# Altium PCB PCB1.pcbdoc (continued)
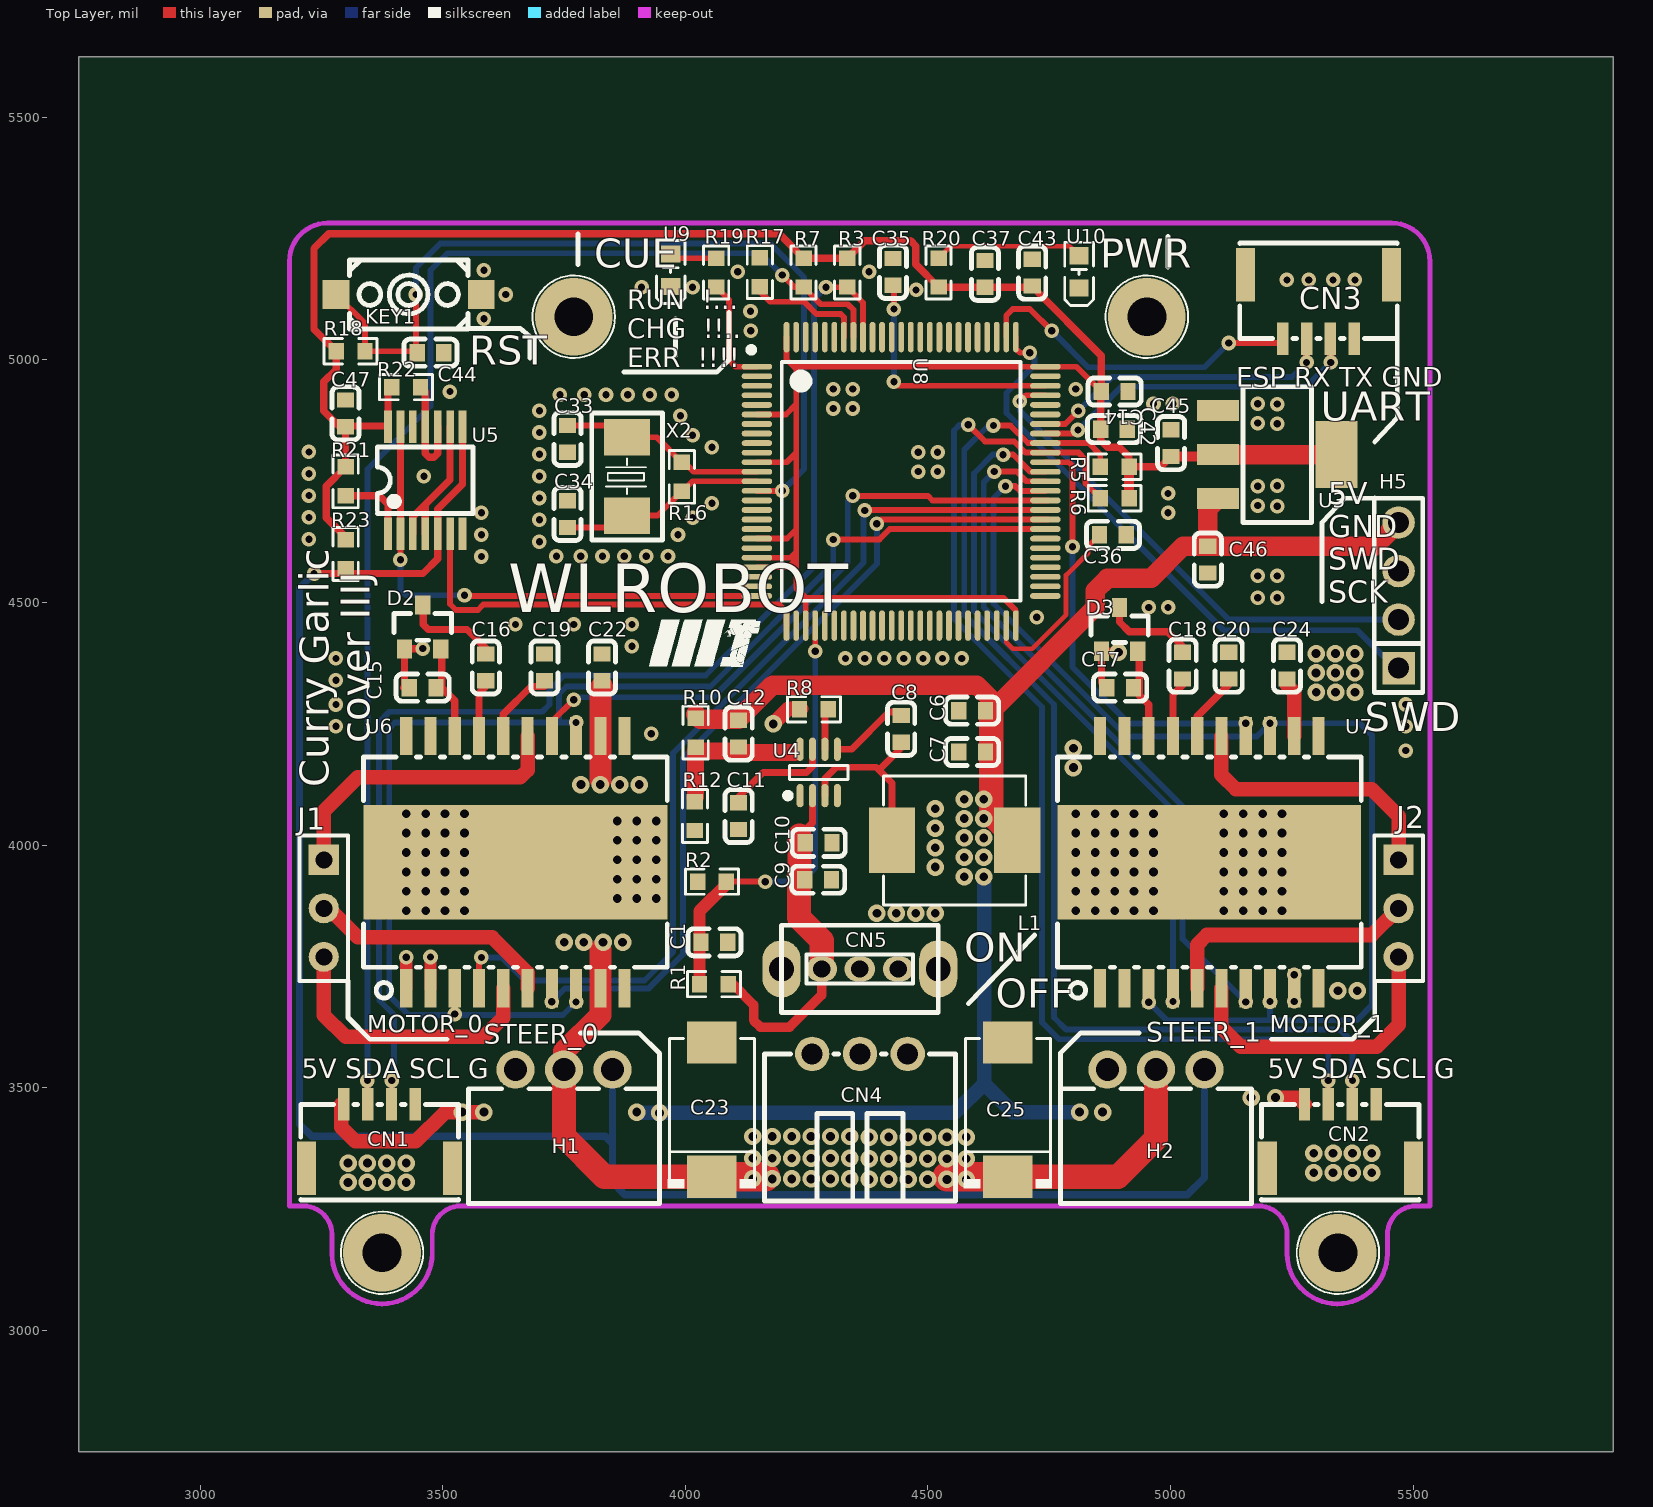
[diagram p0: Top Layer view]
## Footprints (in the part's own frame and the unit in brackets; to place one, negate y for a bottom-side part, rotate by r counter-clockwise, add the part's x,y. Pads: shape width x height; smd on the part's side, far side on the other; paste and mask are expansions set on the pad)
C0603 [mm]
  rect 0.8x0.9 smd: 1(-0.7,0) 2(0.7,0)
  silkscreen extent -1.39,-0.71 1.39,0.71
CAP-SMD_L7.3-W4.3-R-RD [mil]
  rect 86.91x102.05 smd: 1(138.24,0) 2(-138.24,0)
  silkscreen extent -147,-91 162,91
CONN-SMD_A1257WV-S-4P [mm]
  rect 0.6x1.7 smd: 1(1.875,1.675) 2(0.625,1.675) 3(-0.625,1.675) 4(-1.875,1.675)
  rect 1x2.8 smd: 5(3.825,-1.675) 6(-3.825,-1.675)
  silkscreen extent -4.12,-3.33 4.13,1.67
CONN-TH_3P-P2.50_HX25003-3WAP [mm]
  round 1.8 hole 1.1: 1(-2.5,0) 2(0,0) 3(2.5,0)
  silkscreen extent -5,-7.7 5,0
CONN-TH_5264-3AW [mm]
  round 2 hole 1.2: 1(2.54,0.7) 2(0,0.7) 3(-2.54,0.7)
  silkscreen extent -5,-6.3 5,-0.3
CRYSTAL-SMD_L5.0-W3.2 [mm]
  rect 1.9x2.4 smd: 1(-2.05,0) 2(2.05,0)
  silkscreen extent -3.32,-1.85 3.33,1.85
HDR-M-2.54_1X3 [mil]
  rect 62x62 hole 35: 1(-100,0)
  round 62 hole 35: 2(0,0) 3(100,0)
  silkscreen extent -150,-50 150,50
HDR-TH_4P-P2.54-V-M [mm]
  rect 1.7x1.7 hole 1.1: 1(-3.81,0)
  round 1.7 hole 1.1: 2(-1.27,0) 3(1.27,0) 4(3.81,0)
  silkscreen extent -5.08,-1.27 5.08,1.27
IND-SMD_L7.3-W6.6 [mm]
  rect 2.424x3.42 smd: 1(3.278,0) 2(-3.278,0)
  silkscreen extent -3.73,-3.38 3.73,3.38
KEY-SMD_2P-L6.2-W3.6-LS8.0 [mm]
  rect 1.4x1.5 smd: 1(-3.8,0) 2(3.8,0)
  silkscreen extent -3.1,-1.8 3.1,1.8
LED0603-FD [mm]
  rect 0.9x1 smd: 1(-0.85,0) 2(0.85,0)
  silkscreen extent -1.55,-0.75 1.75,0.75
LQFP-100_L14.0-W14.0-P0.50-LS16.0-BL [mm]
  oval 0.3x1.6 smd: 1(-6,-7.55) 2(-5.5,-7.55) 3(-5,-7.55) 4(-4.5,-7.55) 5(-4,-7.55) 6(-3.5,-7.55) 7(-3,-7.55) 8(-2.5,-7.55) 9(-2,-7.55) 10(-1.5,-7.55) 11(-1,-7.55) 12(-0.5,-7.55) 13(0,-7.55) 14(0.5,-7.55) 15(1,-7.55) 16(1.5,-7.55) 17(2,-7.55) 18(2.5,-7.55) 19(3,-7.55) 20(3.5,-7.55) 21(4,-7.55) 22(4.5,-7.55) 23(5,-7.55) 24(5.5,-7.55) 25(6,-7.55) 51(6,7.55) 52(5.5,7.55) 53(5,7.55) 54(4.5,7.55) 55(4,7.55) 56(3.5,7.55) 57(3,7.55) 58(2.5,7.55) 59(2,7.55) 60(1.5,7.55) 61(1,7.55) 62(0.5,7.55) 63(0,7.55) 64(-0.5,7.55) 65(-1,7.55) 66(-1.5,7.55) 67(-2,7.55) 68(-2.5,7.55) 69(-3,7.55) 70(-3.5,7.55) 71(-4,7.55) 72(-4.5,7.55) 73(-5,7.55) 74(-5.5,7.55) 75(-6,7.55)
  oval 1.6x0.3 smd: 26(7.55,-6) 27(7.55,-5.5) 28(7.55,-5) 29(7.55,-4.5) 30(7.55,-4) 31(7.55,-3.5) 32(7.55,-3) 33(7.55,-2.5) 34(7.55,-2) 35(7.55,-1.5) 36(7.55,-1) 37(7.55,-0.5) 38(7.55,0) 39(7.55,0.5) 40(7.55,1) 41(7.55,1.5) 42(7.55,2) 43(7.55,2.5) 44(7.55,3) 45(7.55,3.5) 46(7.55,4) 47(7.55,4.5) 48(7.55,5) 49(7.55,5.5) 50(7.55,6) 76(-7.55,6) 77(-7.55,5.5) 78(-7.55,5) 79(-7.55,4.5) 80(-7.55,4) 81(-7.55,3.5) 82(-7.55,3) 83(-7.55,2.5) 84(-7.55,2) 85(-7.55,1.5) 86(-7.55,1) 87(-7.55,0.5) 88(-7.55,0) 89(-7.55,-0.5) 90(-7.55,-1) 91(-7.55,-1.5) 92(-7.55,-2) 93(-7.55,-2.5) 94(-7.55,-3) 95(-7.55,-3.5) 96(-7.55,-4) 97(-7.55,-4.5) 98(-7.55,-5) 99(-7.55,-5.5) 100(-7.55,-6)
  silkscreen extent -7.03,-8 6.25,6.25
POWERSO20_L15.9-W11.0-P1.27-LS14.2-BL-EP [mm]
  rect 0.635x2 smd: 1(-5.715,-6.6) 2(-4.445,-6.6) 3(-3.175,-6.6) 4(-1.905,-6.6) 5(-0.635,-6.6) 6(0.635,-6.6) 7(1.905,-6.6) 8(3.175,-6.6) 9(4.445,-6.6) 10(5.715,-6.6) 11(5.715,6.6) 12(4.445,6.6) 13(3.175,6.6) 14(1.905,6.6) 15(0.635,6.6) 16(-0.635,6.6) 17(-1.905,6.6) 18(-3.175,6.6) 19(-4.445,6.6) 20(-5.715,6.6)
  rect 15.9x6 smd: 21(0,0)
  silkscreen extent -7.95,-7.11 7.95,5.5
R0603 [mil]
  rect 31.75x34.02 smd: 1(-29.66,0) 2(29.66,0)
  silkscreen extent -55,-26 55,26
SOT-23_L2.9-W1.3-P1.90-LS2.4-BR [mm]
  rect 1x0.8 smd: 1(1.15,-0.95) 2(1.15,0.95) 3(-1.15,0)
  silkscreen extent -0.7,-1.5 0.7,1.5
SOT-223_L6.7-W3.5-P2.30-BR [mm]
  rect 2.2x1.1 smd: 1(3.099,-2.3) 2(3.099,0) 3(3.099,2.3)
  rect 2.2x3.5 smd: 4(-3.099,0)
  silkscreen extent -1.8,-3.55 1.8,3.55
SW-TH_SS-12D02-VG4 [mm]
  oval 1.6x1.3 hole 0.9: 1(-2,0) 2(-0.007,0) 3(2,0)
  oval 2x3 hole 1.3: 4(4.1,0) 5(-4.1,0)
  silkscreen extent -4.1,-2.29 4.1,2.29
TSOT-23-8_L2.9-W1.6-P0.65-LS2.8-BR [mil]
  oval 48.11x14.33 smd: 1(47.68,-38.39) 2(47.68,-12.8) 3(47.68,12.79) 4(47.68,38.39) 5(-47.68,38.39) 6(-47.68,12.79) 7(-47.68,-12.8) 8(-47.68,-38.39)
  silkscreen extent -15,-69 54,60
TSSOP-14_L5.0-W4.4-P0.65-LS6.4-BL [mm]
  rect 0.4x1.7 smd: 1(-1.95,-2.8) 2(-1.3,-2.8) 3(-0.65,-2.8) 4(0,-2.8) 5(0.65,-2.8) 6(1.3,-2.8) 7(1.95,-2.8) 8(1.95,2.8) 9(1.3,2.8) 10(0.65,2.8) 11(0,2.8) 12(-0.65,2.8) 13(-1.3,2.8) 14(-1.95,2.8)
  silkscreen extent -2.51,-1.74 2.5,1.74

## Via types
v1: diameter 36, hole 18, Top Layer to Bottom Layer, 194 vias
v2: diameter 30, hole 15, Top Layer to Bottom Layer, 146 vias
v3: diameter 160, hole 80, Top Layer to Bottom Layer, 4 vias

## Nets (pads, with @x,y where several pads share a name; then routed paths per layer and width w, separated by ;. In a path a pad name is that pad's centre, name@x,y a point inside that pad or via, vN(x,y) a via of type N, cw(c..) or ccw(c..) an arc to the next point about the centre after c; other vN are vias at no path point)
$1N4123: C20.1 U7.16 | length 132.7
  Top Layer w15: U7.16 5055,4265.63 C20.1@5120,4330.63
$1N4124: C19.1 U6.16 | length 153.8
  Top Layer w15: U6.16 3625,4270 3682.08,4327.08 C19.1@3710,4327.08
$1N4127: C15.2 D2.2 U6.18 | length 191.7
  Top Layer w15: D2.2 3498.31,4402.68 3498.31,4324.72 3525,4298.03 U6.18
$1N4128: C16.1 U6.17 | length 108
  Top Layer w15: U6.17 3575,4313.14 C16.1@3588.94,4327.08
$1N4131: C17.2 D3.2 U7.18 | length 184.2
  Top Layer w15: D3.2 4935.69,4396.43 4935.69,4309.31 4955,4290 U7.18
$1N4132: C18.1 U7.17 | length 114.1
  Top Layer w15: U7.17 5005,4310.63 C18.1@5025,4330.63
$1N4145: R8.2 U4.6 | length 87.9
  Top Layer w14: U4.6 4287.79,4272.79 R8.2@4295,4280 ; R8.2 R8.2@4295,4280 ; R8.2@4296.79,4281.21 4295.58,4280 R8.2@4295,4280
$1N4146: C11.2 U4.7 | length 213.7
  Top Layer w14: C11.2@4110,4099.37 4160.63,4150 4250,4150 4262.2,4162.2 U4.7
$1N4149: C8.1 L1.1 U4.3 | length 379.4
  Top Layer w14: U4.3 4287.79,4137.79 4310.64,4160.64 4393.73,4160.64 4399.37,4155 ; L1.1 4425.94,4128.43 4399.37,4155 ; C8.1@4445,4200.63 4399.37,4155
$1N4151: C8.2 U4.5 | length 167.3
  Top Layer w14: U4.5 4342.68,4197.68 4419.37,4274.37 4440,4274.37 4445,4269.37 C8.2
$1N4153: C12.2 R10.1 R12.2 U4.8 | length 301.4
  Top Layer w35: R12.2@4020,4098.04 4021.32,4099.36 4021.32,4193.84 4106.79,4193.84 4110,4190.63 4225,4190.63
$1N4184: R19.1 U9.1 | length 97.2
  Top Layer w12: U9.1 3978.8,5209.66 R19.1
$1N4212: C16.2 D2.3 | length 190
  Top Layer w15: D2.3 3460,4494.15 3460,4455 3470.61,4444.39 3550.37,4444.39 C16.2@3588.94,4405.82
$1N4213: C18.2 D3.3 | length 181.3
  Top Layer w15: D3.3 4895,4460 4915,4440 4994.37,4440 C18.2@5025,4409.37
$1N4217: CN4.1 CN5.2 | length 215.7
  Inner2 w60: CN4.1 4261.58,3586.58 4359.74,3684.74 CN5.2
$1N19370: R22.1 U5.10 U5.11 | length 228
  Top Layer w15: R22.1 3464.18,4934.31 U5.11 3464.18,4807.18 3471.68,4799.69 3482.28,4799.69 3489.77,4807.18 U5.10
$1N19371: U5.3 U5.4 U5.9 | length 312.5
  Top Layer w15: U5.3 3438.59,4676.59 3464.18,4702.18 ; U5.4 3464.18,4702.18 ; U5.9 3515.36,4753.36 3464.18,4702.18
$1N19603: R21.1 U5.1 | length 155.4
  Top Layer w15: R21.1 3369.66,4720.34 3387.41,4702.59 U5.1
$1N30653: R20.1 U10.1 | length 307.8
  Top Layer w10: R20.1 4546.62,5234.31 4792.23,5234.31 U10.1
BAT_ADC: C1.2 R1.1 R2.2 U8.29 | length 926.1
  Top Layer w12: R2.2@4089.37,3925 v2(4165,3925) ; v2(4267.83,4400) U8.29
  Top Layer w25: R1.1 4029.28,3864.28 4089.37,3924.37 R2.2@4089.37,3925
  Bottom Layer w12: v2(4165,3925) 4240,3925 4267.83,3952.83 v2(4267.83,4400)
BOOT0: R17.1 U8.94 | length 246.1
  Top Layer w12: R17.1 4153.68,5141.32 4175,5120 4245,5120 4270.52,5094.48 4320.52,5094.48 4326.89,5088.11 U8.94
DATA: H1.1 H2.1 R23.1 U5.5 U5.8 | length 4085.2
  Top Layer w15: v2(3235,4560) R23.1@3300,4560 ; R23.1@3300,4575.34 R23.1 R23.1@3300,4560 ; U5.8 3540.95,4743.95 3489.77,4692.77 U5.5 3489.77,4590.34 3459.43,4560 R23.1@3300,4560
  Bottom Layer w15: v2(3235,4560) 3205,4530 3205,3425 3230,3400 3835,3400 3850,3385 ; H1.1 3850,3385 ; H2.1 5070,3315 5034.67,3279.67 3875.33,3279.67 3850,3305 3850,3385
ESP_IO0: CN3.1 U8.77 | length 693.7
  Top Layer w12: U8.77 4661.54,5091.54 4675,5105 4710,5105 v2(4755,5060) ; v2(5120,5035) 5222.12,5035 CN3.1
  Bottom Layer w12: v2(4755,5060) 4830,4985 5070,4985 v2(5120,5035)
GND: C1.1 C6.1 C7.2 C9.1 C10.1 C11.1 C14.1 C19.2 C20.2 C22.1 C23.2 C24.1 C25.2 C33.2 C34.2 C35.2 C36.2 C37.1 C42.1 C43.1 C44.2 C45.2 C46.2 C47.2 CN1.1 CN2.1 CN3.4 CN4.3 H1.3 H2.3 H5.3 KEY1.2 R2.1 R12.1 R17.2 U3.1 U4.1 U4.4 U5.7 U5.12 U6.1 U6.2 U6.10 U6.11 U6.19 U6.20 U6.21 U7.1 U7.2 U7.10 U7.11 U7.19 U7.20 U7.21 U8.10 U8.20 U8.27 U8.74 U8.99 U9.2 U10.2 | length 128.3
  Top Layer w25: U6.1 v2(3425,3768.91) ; U6.2 v2(3475,3769.69)
  other v1: 3305,3305 3345,3305 3385,3305 3425,3305 5295,3325 5335,3325 5375,3325 5415,3325 3305,3345 3345,3345 3385,3345 3425,3345 5295,3365 5335,3365 5375,3365 5415,3365 5345,3700 5385,3700 4395,3860 4435,3860 4475,3860 4515,3860 3425,3865 3465,3865 3505,3865 3545,3865 4805,3865 4845,3865 4885,3865 4925,3865 4965,3865 5110,3865 5150,3865 5190,3865 5230,3865 3860,3890 3900,3890 3940,3890 3425,3905 3465,3905 3505,3905 3545,3905 4805,3905 4845,3905 4885,3905 4925,3905 4965,3905 5110,3905 5150,3905 5190,3905 5230,3905 3860,3930 3900,3930 3940,3930 3425,3945 3465,3945 3505,3945 3545,3945 4805,3945 4845,3945 4885,3945 4925,3945 4965,3945 5110,3945 5150,3945 5190,3945 5230,3945 4515,3955 3860,3970 3900,3970 3940,3970 3425,3985 3465,3985 3505,3985 3545,3985 4805,3985 4845,3985 4885,3985 4925,3985 4965,3985 5110,3985 5150,3985 5190,3985 5230,3985 4515,3995 3860,4010 3900,4010 3940,4010 3425,4025 3465,4025 3505,4025 3545,4025 4805,4025 4845,4025 4885,4025 4925,4025 4965,4025 5110,4025 5150,4025 5190,4025 5230,4025 4515,4035 3860,4050 3900,4050 3940,4050 3425,4065 3465,4065 3505,4065 3545,4065 4805,4065 4845,4065 4885,4065 4925,4065 4965,4065 5110,4065 5150,4065 5190,4065 5230,4065 4515,4075 4800,4160 4800,4200
  other v2: 5485,4195 3930,4230 3280,4245 5485,4245 3280,4290 5485,4290 3280,4340 3280,4385 4330,4385 4370,4385 4410,4385 4450,4385 4490,4385 4530,4385 4570,4385 3890,4410 3650,4455 3770,4455 3890,4455 4724.52,4469.58 4955,4490 4995,4490 5180,4510 5220,4510 5180,4555 5220,4555 3580,4595 3734.41,4595.59 3784.41,4595.59 3829.41,4595.59 3874.41,4595.59 3919.41,4595.59 3964.41,4595.59 3699.41,4625.59 3224.41,4630.59 3580,4640 3985,4640 3699.41,4670.59 4015,4675 3224.41,4675.59 3580,4685 4995,4685 5220,4698.82 5180,4700 4055,4705 3699.41,4715.59 3224.41,4720.59 4995,4725 5180,4740 5220,4740.98 3461.5,4760.59 3699.41,4760.59 3224.41,4765.59 4480,4770 4520,4770 3699.41,4805.59 4480,4810 4520,4810 3224.41,4810.59 4055,4820 4015,4845 3699.41,4850.59 5220,4868.79 5180,4870 3990,4885 3699.41,4895.59 4305,4900 4345,4900 5220,4909.19 4965,4910 5005,4910 5180,4910 3741.69,4928.43 3791.69,4928.43 3836.69,4928.43 3881.69,4928.43 3926.69,4928.43 3971.69,4928.43 3515,4935 4305,4940 4345,4940 4805,4940 4135,5060 3585,5085 4134.41,5100.59 3630,5135 4475.67,5144.34 3910,5150 4015,5150 5240,5165 5285,5165 5335,5165 5380,5165 4107.89,5181.58 4378.86,5181.64 3585,5185
  other v3: 3375,3160 5345,3160
LED: R19.2 U8.1 | length 224.8
  Top Layer w12: R19.2 4090,5123.92 4090,5000 4103.78,4986.22 U8.1
M0_EN: U6.3 U6.8 U6.13 U8.58 | length 2641
  Top Layer w12: v2(3525,3652.11) U6.3 ; v2(4305,4630) 4400,4630 4421.57,4651.57 U8.58
  Bottom Layer w12: v2(3775,3677.11) 3747.89,3650 3527.11,3650 v2(3525,3652.11) 3522.89,3650 3430,3650 3390,3690 3390,4241.04 3402,4253.04 3743.02,4253.04 ; v2(3775,4253.04) 3743.02,4253.04 ; v2(4305,4630) 4305,4580 4051.98,4326.98 3755.02,4326.98 3740,4311.97 3740,4256.05 3743.02,4253.04
M0_IN1: U6.7 U8.59 | length 1720.3
  Top Layer w12: v2(4394.41,4662.59) 4403.08,4671.26 U8.59@4747.24,4671.26
  Bottom Layer w12: v2(3725,3677.62) 3752.38,3705 3925,3705 3995,3775 3995,4180 4395,4580 4395,4662 v2(4394.41,4662.59)
M0_IN2: U6.4 U8.60 | length 1956.1
  Top Layer w12: U6.4 3575,3763.76 v2(3580,3768.76) ; v2(4370,4690) 4370.94,4690.94 U8.60@4747.24,4690.94
  Bottom Layer w12: v2(3580,3768.76) 3621.24,3768.76 3668.98,3721.02 3916.02,3721.02 3975,3780 3975,4190 4367.41,4582.41 4367.41,4687.41 v2(4370,4690)
M0_IN3: U6.14 U8.61 | length 1323.8
  Top Layer w12: U6.14 3725,4255 v2(3770,4300) ; v2(4345,4720) 4500,4720 4509.37,4710.63 U8.61@4747.24,4710.63
  Bottom Layer w12: v2(3770,4300) 3775,4305 4057.85,4305 4335,4582.15 4335,4710 v2(4345,4720)
M0_OUT1: J1.2 U6.6 | length 506.8
  Top Layer w30: J1.2 3265,3870 3325,3810 3601.73,3810 3675,3736.73 U6.6
M0_OUT2: J1.3 U6.5 | length 585.4
  Top Layer w30: J1.3 3255,3650 3300,3605 3585,3605 3625,3645 U6.5
M0_OUT3: J1.1 U6.15 | length 625
  Top Layer w30: J1.1 3255,4070 3325,4140 3660,4140 3675,4155 U6.15
M1_EN: U7.3 U7.8 U7.13 U8.62 | length 2336.6
  Top Layer w12: v2(4660,4740) 4680,4740 4689.69,4730.31 U8.62
  Bottom Layer w12: v2(4660,4740) 4635,4715 4635,4498.33 4909.15,4224.18 5177.76,4224.18 v2(5205,4251.42) 5390.09,4251.42 5415,4226.51 5415,3670 5384.16,3639.16 5205,3639.16 ; v2(4955,3676.19) 4992.03,3639.16 5205,3639.16 ; v2(5205,3677.73) 5205,3639.16
M1_IN1: U7.7 U8.63 | length 1439.3
  Top Layer w12: v2(4637,4770) 4682.63,4770 4702.63,4750 U8.63
  Bottom Layer w12: v2(4637,4770) 4615,4748 4615,4490 5025,4080 5025,3806.98 v2(5155,3676.98)
M1_IN2: U7.4 U8.64 | length 1436.2
  Top Layer w12: v2(4655,4805) 4675.7,4805 4711.02,4769.68 U8.64
  Bottom Layer w12: v2(4655,4805) 4633.82,4805 4595,4766.18 4595,4482.65 5005,4072.65 v2(5005,3677.73)
M1_IN3: U7.14 U8.65 | length 878.8
  Top Layer w12: U8.65 4790.63,4789.37 4798,4782 v2(4798,4615)
  Bottom Layer w12: v2(4798,4615) 4798,4367 4913.83,4251.17 v2(5155,4251.17)
M1_OUT1: J2.3 U7.6 | length 620.4
  Top Layer w30: U7.6 5105,3625 5145,3585 5425,3585 5470,3630 J2.3
M1_OUT2: J2.2 U7.5 | length 535.9
  Top Layer w30: U7.5 5055,3795 5075,3815 5415,3815 J2.2
M1_OUT3: J2.1 U7.15 | length 570
  Top Layer w30: U7.15 5105,4145 5135,4115 5415,4115 5470,4060 J2.1
NRST: C44.1 KEY1.1 R18.1 U8.14 | length 1783.3
  Top Layer w12: KEY1.1 3339.94,5075.46 R18.1 3444.53,5017.91 C44.1@3445,5017.44 ; v2(3445,5135) C44.1@3445,5017.44 ; C44.1 C44.1@3445,5017.44 ; U8.14 v2(4200,4730.31)
  Bottom Layer w12: v2(3445,5135) 3445,5190 3495,5240 4175,5240 4245,5170 4245,4775.31 v2(4200,4730.31)
PH0: C33.1 R16.1 U8.12 X2.1 | length 431.9
  Top Layer w12: C33.1 3855.71,4865 X2.1 3941.24,4840.71 R16.1 ; R16.1@3993,4793.94 4017.27,4769.68 U8.12
PH1: C34.1 R16.2 U8.13 X2.2 | length 427.6
  Top Layer w12: C34.1 3855.71,4655 X2.2 3942.67,4679.29 R16.2 ; R16.2@3993,4734.62 3999.62,4734.62 4015,4750 U8.13
RX_0: CN3.2 U8.69 | length 639.8
  Top Layer w12: U8.69 4783.11,4868.11 v2(4810,4895)
  Top Layer w15: v2(5280.39,4995) CN3.2
  Bottom Layer w12: v2(4810,4895) 4880,4965 5250.39,4965 v2(5280.39,4995)
SCL_0: CN1.2 R3.1 U8.92 | length 2601.8
  Top Layer w12: CN1.2 3390.94,3465.94 3395,3470 v2(3395,3515) ; v2(4290,5150) 4333.54,5150 R3.1 4366.26,5117.96 U8.92
  Bottom Layer w12: v2(3395,3515) 3400,3520 3400,3650 3370,3680 3370,3687.37 3369,3688.37 3369,4254 3390.05,4275.05 3705,4275 3720,4290 3720,4320 3750,4350 4041.7,4350 4265,4573.3 4265,5125 v2(4290,5150)
SCL_1: CN2.2 R5.1 U8.67 | length 2362.3
  Top Layer w12: v2(4635,4865) 4670,4865 4706.26,4828.74 U8.67 4831.26,4828.74 4855.34,4804.66 R5.1 ; CN2.2 5375,3466.33 v2(5375,3515)
  Bottom Layer w12: v2(4635,4865) 4625,4865 4575,4815 4575,4475 4760,4290 4760,3645 4785,3620 5350,3620 5375,3595 v2(5375,3515)
SDA_0: CN1.3 R7.1 U8.93 | length 2763.6
  Top Layer w12: v2(3345,3515) 3345,3466.34 CN1.3 ; v2(4200,5175) 4224.66,5150.34 R7.1 4279.12,5115 4335,5115 4346.57,5103.43 U8.93
  Bottom Layer w12: v2(3345,3515) 3345,4775 3475,4905 3475,5185 3510,5220 4155,5220 v2(4200,5175)
SDA_1: CN2.3 R6.1 U8.66 | length 2422.4
  Top Layer w12: v2(4583.41,4866.59) 4618,4832 4678,4832 4700.94,4809.06 U8.66 4810.94,4809.06 4825,4795 4825,4745.34 R6.1 ; v2(5325,3515) 5325,3471.34 CN2.3@5330.4,3465.94
  Bottom Layer w12: v2(4583.41,4866.59) 4565.59,4866.59 4553.59,4854.59 4553.59,4466.41 4735,4285 4735,3635 4770,3600 5305,3600 5325,3580 v2(5325,3515)
SERVO_RX: U5.6 U8.26 | length 882.4
  Top Layer w12: U5.6 3515.36,4497 3527.36,4485 3572.85,4485 3583.73,4495.87 4194.13,4495.87 4208.78,4481.22 U8.26
SERVO_TX: U5.2 U5.13 U8.25 | length 1075.7
  Top Layer w12: v2(3413,4588.5) U5.2 ; v2(3545,4515) 3546.22,4513.78 U8.25
  Top Layer w15: U5.2 U5.13
  Bottom Layer w12: v2(3413,4588.5) 3413,4527 3425,4515 v2(3545,4515)
SWCLK: H5.1 U8.76 | length 1233.9
  Top Layer w12: U8.76 4681.22,5023.78 4690,5015 v2(4710,5015)
  Bottom Layer w12: v2(4710,5015) 4720,5005 4720,4990 4662,4932 4662,4891 5110,4443 5385,4443 5463,4365 H5.1
SWDIO: H5.2 U8.72 | length 1035.8
  Top Layer w12: v2(4689.74,4915) 4701.91,4927.17 U8.72
  Bottom Layer w12: v2(4689.74,4915) 4689.74,4895.26 5120,4465 H5.2
TX_0: CN3.3 U8.68 | length 697.7
  Top Layer w12: U8.68 4801.96,4848.43 v2(4809.27,4855.74)
  Top Layer w15: CN3.3 5330,5043.66 v2(5330,4995)
  Bottom Layer w12: v2(4809.27,4855.74) 4898.53,4945 5280,4945 v2(5330,4995)
VCAP_1: C36.1 U8.49 | length 385.5
  Top Layer w10: U8.49 4661.54,4418.46 4675,4405 4715,4405 4785,4475 4785,4556.69 4830,4601.69 4830,4615.83 C36.1
VCAP_2: C35.1 U8.73 | length 515.6
  Top Layer w12: C35.1 4430,5152.01 v2(4430,5105) ; v2(4430,4955) 4438.15,4946.85 U8.73
  Bottom Layer w12: v2(4430,4955) v2(4430,5105)
VCC-3.3V: C14.2 C37.2 C42.2 C43.2 C45.1 C47.1 R3.2 R5.2 R6.2 R7.2 R18.2 R20.2 R21.2 R22.2 R23.2 U3.2 U3.4 U5.14 U8.6 U8.11 U8.19 U8.21 U8.22 U8.28 U8.50 U8.75 U8.100 | length 5600.3
  Top Layer w12: U8.22 4212.83,4572.83 4228.71,4588.71 ; U8.21 4217.27,4592.52 4228.71,4603.96 ; U8.19 4209.75,4631.89 4228.71,4650.85 ; U8.11 4209.37,4789.37 4228.71,4808.71 ; U8.6 4207.8,4887.8 4228.71,4908.71 ; U8.100 4208.78,5001.22 4225.55,4984.45 ; U8.28 4248.15,4510 ; U8.50 4681.22,4483.99 4655.21,4510 4248.15,4510 ; C14.2 4806.22,4986.22 U8.75 4227.33,4986.22 4225.55,4984.45 ; 4225.55,4984.45 4228.71,4981.29 4228.71,4908.71 ; 4228.71,4588.71 4228.71,4603.96 ; 4228.71,4588.71 4228.71,4529.44 4248.15,4510 ; 4228.71,4603.96 4228.71,4650.85 ; 4228.71,4650.85 4228.71,4808.71 ; 4228.71,4808.71 4228.71,4908.71
  Top Layer w15: R23.2@3300,4634.66 3295,4639.66 3295,4640 3260,4675 3260,4739.66 R21.2 C47.1 ; R22.2 3387.41,4936.48 U5.14 3386,4863.84 3286.16,4863.84 3255,4895 3255,4955 3280.62,4980.62 R18.2 3235,5063.53 3235,5230 3265,5260 4193.44,5260 R7.2 R3.2 4369.82,5245.61 4464.39,5245.61 4475,5235 4475,5197.31 R20.2 4522.31,5150 C37.2 4711.57,5150 4714.01,5152.44 4857.44,5009.01 C14.2 4856.02,4933.58 C42.2 4856.02,4834.16 4870.18,4820 4895,4820 4914.66,4800.34 R5.2 4980.13,4780 C45.1
  Top Layer w20: R6.2 R5.2 ; C45.1 5094.12,4801.12 U3.2
  Top Layer w40: U3.2 U3.4
VCC-5V: C6.2 C7.1 C12.1 C46.1 CN1.4 CN2.4 H5.4 L1.2 R10.2 U3.3 | length 4704.6
  Top Layer w30: CN1.4@3291.18,3465.94 3291.18,3418.82 3320,3390 3445,3390 3505,3450 v1(3540,3450) v1(3585,3450) ; v1(5216.4,3480) 5262.12,3480 CN2.4
  Top Layer w40: R10.2@4021.32,4269.92 4031.24,4260 4110,4260 4180,4330 4600.68,4330 4630.69,4299.99 C6.2@4630.69,4277.23 ; C6.2@4631.87,4277.23 4845,4490.36 4845,4525 4870,4550 4960,4550 5026.12,4616.12 C46.1 ; U3.3 5076.85,4693.3 C46.1 ; H5.4 5421.12,4616.12 C46.1
  Top Layer w50: C6.2@4630.69,4277.23 4630.69,4063.37 L1.2
  Inner2 w30: v1(3585,3450) v1(3900,3450) 3945.29,3450 v1(3946.9,3448.39) ; v1(4812.65,3450) v1(4860,3450) 5115,3450 5145,3480 v1(5166.07,3480) v1(5216.4,3480)
  Bottom Layer w30: v1(3900,3450) 3901.61,3448.39 v1(3946.9,3448.39) 4555.81,3448.39 4616.21,3508.79 ; v1(4615,3935) 4616.21,3933.79 4616.21,3508.79 ; v1(4812.65,3450) 4675,3450 4616.21,3508.79
  other v1: 4575,3935 4575,3975 4615,3975 4575,4015 4615,4015 4575,4055 4615,4055 4575,4095 4615,4095
VIN: C9.2 C10.2 C15.1 C17.1 C22.2 C23.1 C24.2 C25.1 CN5.1 D2.1 D3.1 H1.2 H2.2 R1.2 R8.1 U4.2 U6.9 U6.12 U7.9 U7.12 | length 7940.2
  Top Layer w15: C15.1@3419.57,4324.72 3421.54,4326.69 D2.1 3458.35,4404.65 v2(3458.94,4405.23) ; C10.2@4235.63,4020 4262.2,4046.57 U4.2 ; C17.1 4857.6,4335.88 D3.1 4890.76,4399.72 v1(4892.65,4397.83)
  Top Layer w20: R1.2@4098.31,3713.75 4140.86,3671.2 4140.86,3639.14 4155,3625 4215,3625 4281.26,3691.26 CN5.1
  Top Layer w30: v1(4181.33,4250) 4212.54,4281.21 R8.1@4238.83,4281.21 ; C24.2@5240,4330.63 5255,4315.63 U7.12
  Top Layer w45: H1.2 3750,3575 3825,3650 U6.9 v1@3825,3785 ; v1@3825,4135 U6.12 3825,4323.63 C22.2@3828.45,4327.08
  Top Layer w50: H1.2 3750,3400 3833.24,3316.76 C23.1 ; C10.2@4235.63,4020 4235.63,3929.91 4234.57,3928.85 4234.57,3850.43 4281.26,3803.74 CN5.1 ; C25.1 4891.76,3316.76 4970,3395 H2.2
  Top Layer w60: C23.1 v1@4165.28,3316.76 ; v1@4539.27,3316.76 C25.1
  Inner2 w15: v2(3458.94,4405.23) 3794.77,4405.23 3825,4375 3825,4136.15 v1@3826.15,4135 ; v1(4892.65,4397.83) 5297.17,4397.83 v1(5300,4395)
  Inner2 w30: 4181.33,4135 v1(4181.33,4250) ; 5254.26,3775 5255,3774.26 v2(5255,3732.93)
  Inner2 w50: v2(5255,3678.1) v2(5255,3732.93)
  Inner2 w60: 4210,4145 4281.26,4073.74 CN5.1
  Inner2 w90: v1(3785,4125) 3745,4085 3745,3835 3780,3800 v1(3830.7,3800) 3880,3800 4035,3645 4035,3410 4114.06,3330.94 4560.94,3330.94 4640,3410 4640,3655 4760,3775 5254.26,3775 5275,3775 5338.64,3838.64 v1@5338.64,4315 ; v1@3795,4135 3826.15,4135 4181.33,4135 4200,4135
  other v1: 4379.27,3311.16 4419.27,3311.16 4459.27,3311.16 4499.27,3311.16 4539.27,3311.16 4579.27,3311.16 4139.27,3312.36 4179.27,3312.36 4219.27,3312.36 4259.27,3312.36 4299.27,3312.36 4339.27,3312.36 4379.27,3353.7 4419.27,3353.7 4459.27,3353.7 4499.27,3353.7 4539.27,3353.7 4579.27,3353.7 4139.27,3354.9 4179.27,3354.9 4219.27,3354.9 4259.27,3354.9 4299.27,3354.9 4339.27,3354.9 4379.27,3398.5 4419.27,3398.5 4459.27,3398.5 4499.27,3398.5 4539.27,3398.5 4579.27,3398.5 4139.27,3399.71 4179.27,3399.71 4219.27,3399.71 4259.27,3399.71 4299.27,3399.71 4339.27,3399.71 3750.7,3800 3790.72,3800 3870.7,3800 3825,4125 3865,4125 3905,4125 5300.24,4315 5340.24,4315 5380.24,4315 5300,4355 5340,4355 5380,4355 5340,4395 5380,4395
pads on no net: CN1.5 CN1.6 CN2.5 CN2.6 CN3.5 CN3.6 CN4.2 CN5.3 CN5.4 CN5.5 U8.2 U8.3 U8.4 U8.5 U8.7 U8.8 U8.9 U8.15 U8.16 U8.17 U8.18 U8.23 U8.24 U8.30 U8.31 U8.32 U8.33 U8.34 U8.35 U8.36 U8.37 U8.38 U8.39 U8.40 U8.41 U8.42 U8.43 U8.44 U8.45 U8.46 U8.47 U8.48 U8.51 U8.52 U8.53 U8.54 U8.55 U8.56 U8.57 U8.70 U8.71 U8.78 U8.79 U8.80 U8.81 U8.82 U8.83 U8.84 U8.85 U8.86 U8.87 U8.88 U8.89 U8.90 U8.91 U8.95 U8.96 U8.97 U8.98
copper on no net:
  other v3: 3770.2,5089.1 4951.3,5089.1

## Polygon pours and split planes (outlines as drawn)
GND on Inner1 (solid, remove dead copper): 3115,5350 5595,5350 5595,3000 3115,3000
GND on Inner2 (solid, remove dead copper): 3125,5350 5605,5350 5605,3010 3125,3010
GND on Bottom Layer (solid, remove dead copper, pour order 52): 3135,5375 5620,5375 5620,3015 3135,3015
GND on Top Layer (solid, remove dead copper, pour order 32): 3125,5345 5595,5345 5595,3020 3125,3020
VIN on Top Layer (solid, remove dead copper, pour order 0): 4005,3360 4075,3430 4645,3430 4715,3360 4715,3274.83 4003.08,3274.83 4005,3276.76
$1N4217 on Inner2 (solid, remove dead copper): 4225,3530 4300,3530 4300,3580.43 4395.17,3675.6 4395.17,3775 4325.34,3775 4325.34,3726.98 4225,3626.63
M1_EN on Bottom Layer (solid, remove dead copper, pour order 34): 5205,3661.72 5182.43,3639.16 5227.68,3639.16 5205,3661.84
M0_EN on Bottom Layer (solid, remove dead copper, pour order 36): 3740,4285.56 3707.47,4253.04 3766.69,4253.04 3766.69,4259.38 3740,4286.07
VIN on Top Layer (solid, remove dead copper, pour order 2): 4073.45,3722.8 4073.45,3697.82 4130,3644.52 4130,3325 4205.64,3325 4205.64,3585.64 4310,3690 4310,3744.27 4249.7,3744.27 4249.7,3701.63 4223.07,3675 4148.92,3675 4101.12,3722.8
VIN on Inner2 (solid, remove dead copper): 4215,3500 4175,3540 4175,3623.19 4140.86,3657.33 4140.86,4075.86 4160,4095 4185,4095 4200,4080 4200,3845 4260,3785 4305,3785 4310,3790 4310,4125 4255,4180 4045.1,4180 3995,4129.9 3995,3403.48 4043.11,3336.89 4626.87,3336.89 4626.87,3500.06 4625,3500
$1N4217 on Bottom Layer (solid, remove dead copper, pour order 38): 4225,3530 4300,3530 4300,3580.43 4395.17,3675.6 4395.17,3775 4325.34,3775 4325.34,3726.98 4225,3626.63
VIN on Inner2 (solid, remove dead copper): 5380,4280 5400,4300 5400,4405 5380,4425 5293.75,4425 5275.57,4406.82 5275.57,4296.45 5292.02,4280
VIN on Top Layer (solid, remove dead copper, pour order 4): 5215,4307.01 5242.01,4280 5375,4280 5400,4305 5400,4395.03 5375.07,4419.96 5304.96,4419.96 5285,4400 5285,4369.2 5229.2,4369.2 5215,4355
VCC-5V on Inner2 (solid, remove dead copper): 3535,3465 3946.9,3465 3946.9,3441.9 3940,3435 3540,3435 3540,3460
VIN on Top Layer (solid, remove dead copper, pour order 6): 3770,4160 3914.99,4160 3940,4134.99 3940,4089.57 3749.57,4089.57 3749.57,4139.57
VIN on Bottom Layer (solid, remove dead copper, pour order 40): 3874.43,3765.57 3749.44,3765.57 3719.43,3795.58 3719.43,3836 3894.86,3836 3894.86,3786
VIN on Top Layer (solid, remove dead copper, pour order 8): 3875,3765 3750.01,3765 3720,3795.01 3720,3835.43 3895.43,3835.43 3895.43,3785.43
VIN on Inner2 (solid, remove dead copper): 5320,3760 5262.84,3702.84 5237.16,3702.84 5200,3740 5200,3745 5230,3775 5305,3775
VIN on Bottom Layer (solid, remove dead copper, pour order 42): 3770,4160 3914.99,4160 3940,4134.99 3940,4089.57 3749.57,4089.57 3749.57,4139.57
$1N4153 on Top Layer (solid, remove dead copper, pour order 10): 4122.03,4173 4243,4173 4245,4175 4245,4220 4240.62,4224.38 4214.38,4224.38 4210,4220 4122.03,4220
VIN on Inner2 (solid, remove dead copper): 4181.33,4224.47 4116.86,4160 4260,4160 4262.2,4162.2 4243.9,4162.2 4181.33,4224.77
VIN on Bottom Layer (solid, remove dead copper, pour order 44): 3749.75,4094.75 3749.75,3830.25 3762.25,3817.75 3817.75,3817.75 3830,3830 3830,4095 3825,4100 3755,4100
VIN on Inner2 (solid, remove dead copper): 3800,4169.84 3824.62,4194.46 3825,4194.46 3845.69,4173.76 3845.69,4172.65 3842.88,4169.84
VIN on Top Layer (solid, remove dead copper, pour order 12): 4270.04,3845.21 4258.15,3833.31 4230.39,3861.07 4230.39,4055.25 4262.2,4087.06 4262.2,4093.94 4270.04,4086.1
DATA on Bottom Layer (solid, remove dead copper, pour order 46): 3855,3440 3820,3405 3855,3370
VCC-5V on Bottom Layer (solid, remove dead copper, pour order 48): 4810,3465 4865,3465 4865,3435.09 4808.03,3435.09 4810,3437.06
$1N4149 on Top Layer (solid, remove dead copper, pour order 14): 4287.79,4122.49 4305.3,4140 4325,4140 4375,4090 4375,3940 4385,3930 4470,3930 4480,3940 4480,4221.43 4469.61,4231.83 4417.05,4231.83 4409.43,4224.2 4409.43,4202.98 4361.45,4155 4305,4155 4287.79,4137.79
VCC-5V on Top Layer (solid, remove dead copper, pour order 16): 5216.4,3480 5216.4,3494.98 5166.9,3494.98 5166.9,3466.9 5165,3465 5226.44,3465 5226.44,3469.97
VCC-5V on Bottom Layer (solid, remove dead copper, pour order 50): 3946.9,3465.18 3946.9,3435.18 3899.59,3435.18 3900,3435.59 3900,3464.17 3901.01,3465.18
VCC-5V on Top Layer (solid, remove dead copper, pour order 18): 4607.85,4169.86 4555,4117 4555,3925 4565,3915 4720.02,3915 4735,3929.98 4735,4355 4595,4355 4595,4350 4607.11,4337.89 4607.11,4312.8 4607.85,4312.06
VCC-3.3V on Top Layer (solid, remove dead copper, pour order 20): 4228.71,4861.89 4228.71,4903.71 4207.8,4882.8
VCC-3.3V on Top Layer (solid, remove dead copper, pour order 22): 4228.71,4762.48 4228.71,4804.29 4207.8,4783.38
VCC-3.3V on Top Layer (solid, remove dead copper, pour order 24): 4228.71,4606.32 4228.71,4648.13 4207.8,4627.23
VCC-3.3V on Top Layer (solid, remove dead copper, pour order 26): 4228.71,4569.57 4228.71,4611.38 4207.8,4590.47
VCC-3.3V on Top Layer (solid, remove dead copper, pour order 28): 4228.71,4550.11 4228.71,4591.92 4207.8,4571.01
$1N4151 on Top Layer (solid, remove dead copper, pour order 30): 4313.39,4181.5 4346.5,4181.5 4416.03,4251.03 4431.4,4251.03 4431.4,4282.5 4407.5,4282.5 4337.82,4212.82 4313.39,4212.82

## Keep-outs
Inner1:
  region: 3797.16,4900.9 3962.83,4900.9 3962.83,4619.1 3797.16,4619.1
Board Outline Layer:
  lines w10: 3184.26,3256.66 3184.26,5203.5 cw(c3262.99,5203.5) 3262.99,5282.24 5455.9,5282.24 cw(c5455.9,5203.5) 5534.64,5203.5 5534.65,3256.66 5506.1,3256.66 ccw(c5506.1,3197.6) 5447.05,3197.6 5447.05,3158.23 cw(c5343.7,3158.23) 5240.35,3158.23 5240.35,3197.6 ccw(c5181.3,3197.6) 5181.3,3256.65 3537.6,3256.66 ccw(c3537.6,3197.6) 3478.55,3197.6 3478.55,3158.23 cw(c3375.2,3158.23) 3271.85,3158.23 3271.85,3197.6 ccw(c3212.8,3197.6) 3212.8,3256.65 3184.26,3256.66

## Silkscreen, mask and mechanical layers (free items; w line width, h text height)
Top Silkscreen Layer:
  drawing of 49 lines, arcs and shapes, not listed
  text "CUE" at 3812.44,5190 h60
  text "PWR" at 4855,5190 h60
  text "RST" at 3555,4990 h60
  text "RUN  !... / CHG  !!.. / ERR  !!!!" at 3880,4985 h40
  text "ESP RX TX GND" at 5135,4945 h40
  text "UART" at 5310,4875 h60
  text "5V / GND / SWD / SCK" at 5325,4500 h45
  text "WLROBOT" at 3635,4480 h100
  text "SWD" at 5400,4235 h60
  text "cover IIIJ" at 3350,4210 h60 r90
  text "Curry Garlic" at 3265,4120 h60 r90
  text "ON" at 4575,3760 h60
  text "OFF" at 4640,3665 h60
  text "MOTOR_0" at 3345,3615 h35
  text "MOTOR_1" at 5205,3615 h35
  text "STEER_1" at 4950,3595 h40
  text "STEER_0" at 3584.24,3590.9 h40
  text "5V SDA SCL G" at 3210,3520 h40
  text "5V SDA SCL G" at 5200,3520 h40
Bottom Silkscreen Layer:
  drawing of 46 lines, arcs and shapes, not listed
  text "STM32F407" at 4550,5200 h50
  text "5V RX TX GND" at 5140,5090 h40 r180
  text "5V" at 5407.25,4655 h45
  text "GND" at 5407.25,4589.17 h45
  text "SWD" at 5407.25,4523.33 h45
  text "SCK" at 5407.25,4457.5 h45
  text "WLROBOT" at 4602,4170 h100
  text "Curry Garlic" at 4567,4085 h60
  text "cover IIIJ" at 4527,4010 h60
  text "ONLY" at 5310,3935 h50 r90
  text "BLDC" at 5385,3930 h50 r90
  text "BLDC" at 3350,3805 h50 r270
  text "ONLY" at 3430,3800 h50 r270
  text "5V SDA SCL G" at 5180,3415 h40 r180
  text "5V SDA SCL G" at 3240,3410 h40 r180
  text "GND" at 4895,3410 h40 r90
  text "VIN" at 4995,3410 h40 r90
  text "DATA" at 5100,3410 h40 r90
  text "GND" at 3675.92,3405.98 h40 r90
  text "VIN" at 3775.92,3405.98 h40 r90
  text "DATA" at 3880.92,3405.98 h40 r90
  text "IIC-1" at 5260,3355 h60 r180
  text "IIC-0" at 3295,3345 h60 r180
  text "-" at 4690,3305 h80
  text "+" at 4100,3300 h80
  text "7-9V" at 4460,3295 h80
Top Solder Mask Layer:
  region: 5425,3160 cw(c5345,3160) 5265,3160 cw(c5345,3160)
  region: 3455,3160 cw(c3375,3160) 3295,3160 cw(c3375,3160)
  region: 5031.3,5089.1 cw(c4951.3,5089.1) 4871.3,5089.1 cw(c4951.3,5089.1)
  region: 3850.2,5089.1 cw(c3770.2,5089.1) 3690.2,5089.1 cw(c3770.2,5089.1)
  region: 3455,3160 cw(c3375,3160) 3295,3160 cw(c3375,3160)
  region: 5425,3160 cw(c5345,3160) 5265,3160 cw(c5345,3160)